# KiCad board panel.kicad_pcb (continued)
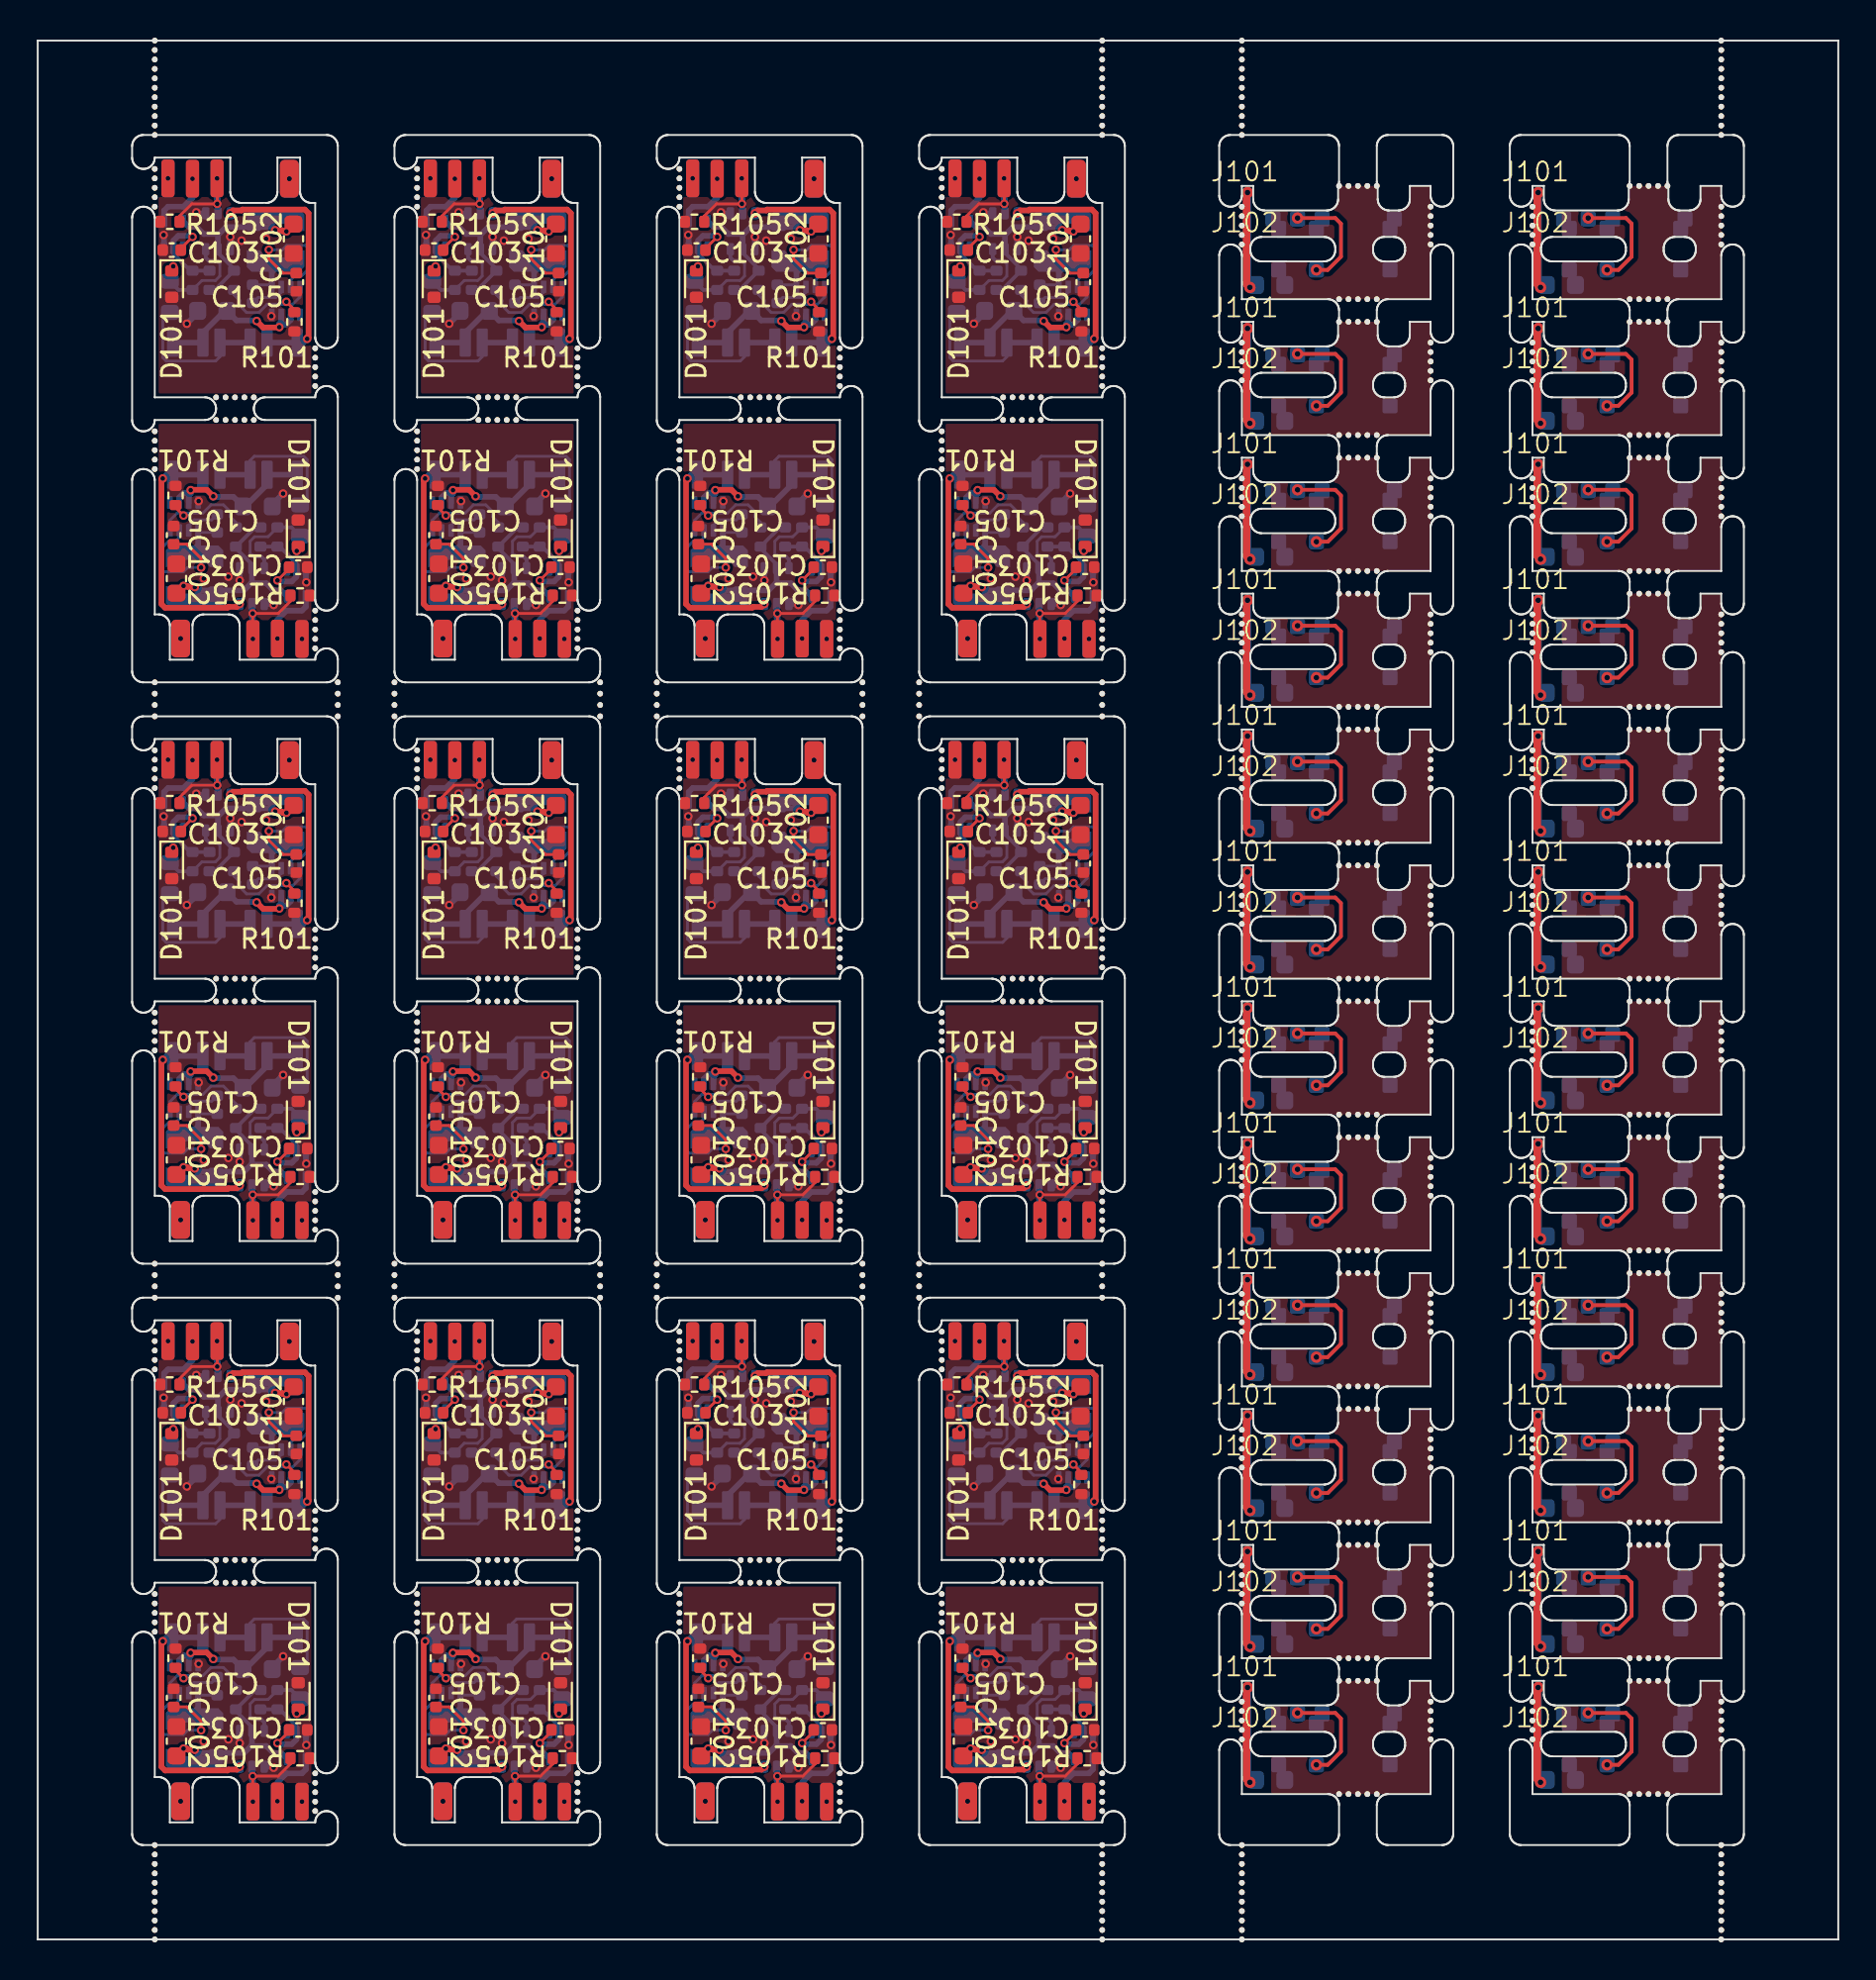
[diagram p0: board, top side]
## Placement (name value [footprint] x y rotation side) (continued)
Q102#5  FDG1024NZ-VB  [SOT-363_SC-70-6]  25.25 71.7 270 bottom
Q102#6  FDG1024NZ-VB  [SOT-363_SC-70-6]  53.05 40.9 270 bottom
Q102#7  FDG1024NZ-VB  [SOT-363_SC-70-6]  9.55 28.9 90 bottom
Q102#8  FDG1024NZ-VB  [SOT-363_SC-70-6]  11.35 10.1 270 bottom
Q102#9  FDG1024NZ-VB  [SOT-363_SC-70-6]  23.45 28.9 90 bottom
Q102#10  FDG1024NZ-VB  [SOT-363_SC-70-6]  37.35 90.5 90 bottom
Q102#11  FDG1024NZ-VB  [SOT-363_SC-70-6]  37.35 59.7 90 bottom
Q102#12  FDG1024NZ-VB  [SOT-363_SC-70-6]  39.15 40.9 270 bottom
Q102#13  FDG1024NZ-VB  [SOT-363_SC-70-6]  25.25 10.1 270 bottom
Q102#14  FDG1024NZ-VB  [SOT-363_SC-70-6]  11.35 71.7 270 bottom
Q102#15  FDG1024NZ-VB  [SOT-363_SC-70-6]  9.55 59.7 90 bottom
Q102#16  FDG1024NZ-VB  [SOT-363_SC-70-6]  11.35 40.9 270 bottom
Q102#17  FDG1024NZ-VB  [SOT-363_SC-70-6]  23.45 59.7 90 bottom
Q102#18  FDG1024NZ-VB  [SOT-363_SC-70-6]  9.55 90.5 90 bottom
Q102#19  FDG1024NZ-VB  [SOT-363_SC-70-6]  39.15 71.7 270 bottom
Q102#20  FDG1024NZ-VB  [SOT-363_SC-70-6]  37.35 28.9 90 bottom
Q102#21  FDG1024NZ-VB  [SOT-363_SC-70-6]  39.15 10.1 270 bottom
Q102#22  FDG1024NZ-VB  [SOT-363_SC-70-6]  23.45 90.5 90 bottom
Q102#23  FDG1024NZ-VB  [SOT-363_SC-70-6]  53.05 71.7 270 bottom
Q102#24  FDG1024NZ-VB  [SOT-363_SC-70-6]  25.25 40.9 270 bottom
R101  R_15K_0402_0W063_1%_100PPM_50V  [R_0402_1005Metric]  49 45.7 90 top
R101#2  R_15K_0402_0W063_1%_100PPM_50V  [R_0402_1005Metric]  41.4 85.7 270 top
R101#3  R_15K_0402_0W063_1%_100PPM_50V  [R_0402_1005Metric]  21.2 76.5 90 top
R101#4  R_15K_0402_0W063_1%_100PPM_50V  [R_0402_1005Metric]  27.5 54.9 270 top
R101#5  R_15K_0402_0W063_1%_100PPM_50V  [R_0402_1005Metric]  27.5 85.7 270 top
R101#6  R_15K_0402_0W063_1%_100PPM_50V  [R_0402_1005Metric]  35.1 76.5 90 top
R101#7  R_15K_0402_0W063_1%_100PPM_50V  [R_0402_1005Metric]  55.3 24.1 270 top
R101#8  R_15K_0402_0W063_1%_100PPM_50V  [R_0402_1005Metric]  41.4 54.9 270 top
R101#9  R_15K_0402_0W063_1%_100PPM_50V  [R_0402_1005Metric]  21.2 45.7 90 top
R101#10  R_15K_0402_0W063_1%_100PPM_50V  [R_0402_1005Metric]  55.3 85.7 270 top
R101#11  R_15K_0402_0W063_1%_100PPM_50V  [R_0402_1005Metric]  13.6 54.9 270 top
R101#12  R_15K_0402_0W063_1%_100PPM_50V  [R_0402_1005Metric]  7.3 14.9 90 top
R101#13  R_15K_0402_0W063_1%_100PPM_50V  [R_0402_1005Metric]  21.2 14.9 90 top
R101#14  R_15K_0402_0W063_1%_100PPM_50V  [R_0402_1005Metric]  35.1 14.9 90 top
R101#15  R_15K_0402_0W063_1%_100PPM_50V  [R_0402_1005Metric]  55.3 54.9 270 top
R101#16  R_15K_0402_0W063_1%_100PPM_50V  [R_0402_1005Metric]  13.6 85.7 270 top
R101#17  R_15K_0402_0W063_1%_100PPM_50V  [R_0402_1005Metric]  35.1 45.7 90 top
R101#18  R_15K_0402_0W063_1%_100PPM_50V  [R_0402_1005Metric]  27.5 24.1 270 top
R101#19  R_15K_0402_0W063_1%_100PPM_50V  [R_0402_1005Metric]  41.4 24.1 270 top
R101#20  R_15K_0402_0W063_1%_100PPM_50V  [R_0402_1005Metric]  13.6 24.1 270 top
R101#21  R_15K_0402_0W063_1%_100PPM_50V  [R_0402_1005Metric]  49 76.5 90 top
R101#22  R_15K_0402_0W063_1%_100PPM_50V  [R_0402_1005Metric]  49 14.9 90 top
R101#23  R_15K_0402_0W063_1%_100PPM_50V  [R_0402_1005Metric]  7.3 45.7 90 top
R101#24  R_15K_0402_0W063_1%_100PPM_50V  [R_0402_1005Metric]  7.3 76.5 90 top
R102  R_10K0_0402_0W063_1%_100PPM_50V  [R_0402_1005Metric]  22.1 26.3 90 bottom
R102#2  R_10K0_0402_0W063_1%_100PPM_50V  [R_0402_1005Metric]  49.9 26.3 90 bottom
R102#3  R_10K0_0402_0W063_1%_100PPM_50V  [R_0402_1005Metric]  22.1 87.9 90 bottom
R102#4  R_10K0_0402_0W063_1%_100PPM_50V  [R_0402_1005Metric]  40.5 74.3 270 bottom
R102#5  R_10K0_0402_0W063_1%_100PPM_50V  [R_0402_1005Metric]  8.2 87.9 90 bottom
R102#6  R_10K0_0402_0W063_1%_100PPM_50V  [R_0402_1005Metric]  40.5 43.5 270 bottom
R102#7  R_10K0_0402_0W063_1%_100PPM_50V  [R_0402_1005Metric]  12.7 12.7 270 bottom
R102#8  R_10K0_0402_0W063_1%_100PPM_50V  [R_0402_1005Metric]  8.2 26.3 90 bottom
R102#9  R_10K0_0402_0W063_1%_100PPM_50V  [R_0402_1005Metric]  12.7 43.5 270 bottom
R102#10  R_10K0_0402_0W063_1%_100PPM_50V  [R_0402_1005Metric]  54.4 12.7 270 bottom
R102#11  R_10K0_0402_0W063_1%_100PPM_50V  [R_0402_1005Metric]  54.4 74.3 270 bottom
R102#12  R_10K0_0402_0W063_1%_100PPM_50V  [R_0402_1005Metric]  36 87.9 90 bottom
R102#13  R_10K0_0402_0W063_1%_100PPM_50V  [R_0402_1005Metric]  26.6 74.3 270 bottom
R102#14  R_10K0_0402_0W063_1%_100PPM_50V  [R_0402_1005Metric]  49.9 57.1 90 bottom
R102#15  R_10K0_0402_0W063_1%_100PPM_50V  [R_0402_1005Metric]  54.4 43.5 270 bottom
R102#16  R_10K0_0402_0W063_1%_100PPM_50V  [R_0402_1005Metric]  49.9 87.9 90 bottom
R102#17  R_10K0_0402_0W063_1%_100PPM_50V  [R_0402_1005Metric]  12.7 74.3 270 bottom
R102#18  R_10K0_0402_0W063_1%_100PPM_50V  [R_0402_1005Metric]  8.2 57.1 90 bottom
R102#19  R_10K0_0402_0W063_1%_100PPM_50V  [R_0402_1005Metric]  22.1 57.1 90 bottom
R102#20  R_10K0_0402_0W063_1%_100PPM_50V  [R_0402_1005Metric]  36 26.3 90 bottom
R102#21  R_10K0_0402_0W063_1%_100PPM_50V  [R_0402_1005Metric]  36 57.1 90 bottom
R102#22  R_10K0_0402_0W063_1%_100PPM_50V  [R_0402_1005Metric]  40.5 12.7 270 bottom
R102#23  R_10K0_0402_0W063_1%_100PPM_50V  [R_0402_1005Metric]  26.6 12.7 270 bottom
R102#24  R_10K0_0402_0W063_1%_100PPM_50V  [R_0402_1005Metric]  26.6 43.5 270 bottom
R103  100R  [R_0603_1608Metric]  41.7 44.38 270 bottom
R103#2  100R  [R_0603_1608Metric]  13.9 44.38 270 bottom
R103#3  100R  [R_0603_1608Metric]  27.8 75.17 270 bottom
R103#4  100R  [R_0603_1608Metric]  13.9 75.17 270 bottom
R103#5  100R  [R_0603_1608Metric]  34.8 56.22 90 bottom
R103#6  100R  [R_0603_1608Metric]  7 87.02 90 bottom
R103#7  100R  [R_0603_1608Metric]  55.6 13.57 270 bottom
R103#8  100R  [R_0603_1608Metric]  34.8 87.02 90 bottom
R103#9  100R  [R_0603_1608Metric]  20.9 25.42 90 bottom
R103#10  100R  [R_0603_1608Metric]  48.7 56.22 90 bottom
R103#11  100R  [R_0603_1608Metric]  7 56.22 90 bottom
R103#12  100R  [R_0603_1608Metric]  13.9 13.57 270 bottom
R103#13  100R  [R_0603_1608Metric]  48.7 87.02 90 bottom
R103#14  100R  [R_0603_1608Metric]  7 25.42 90 bottom
R103#15  100R  [R_0603_1608Metric]  27.8 13.57 270 bottom
R103#16  100R  [R_0603_1608Metric]  41.7 75.17 270 bottom
R103#17  100R  [R_0603_1608Metric]  55.6 44.38 270 bottom
R103#18  100R  [R_0603_1608Metric]  20.9 56.22 90 bottom
R103#19  100R  [R_0603_1608Metric]  20.9 87.02 90 bottom
R103#20  100R  [R_0603_1608Metric]  34.8 25.42 90 bottom
R103#21  100R  [R_0603_1608Metric]  27.8 44.38 270 bottom
R103#22  100R  [R_0603_1608Metric]  48.7 25.42 90 bottom
R103#23  100R  [R_0603_1608Metric]  55.6 75.17 270 bottom
R103#24  100R  [R_0603_1608Metric]  41.7 13.57 270 bottom
R104  R_47K_0402_0W063_1%_100PPM_50V  [R_0402_1005Metric]  24.4 43.5 90 bottom
R104#2  R_47K_0402_0W063_1%_100PPM_50V  [R_0402_1005Metric]  24.3 26.3 270 bottom
R104#3  R_47K_0402_0W063_1%_100PPM_50V  [R_0402_1005Metric]  38.2 57.1 270 bottom
R104#4  R_47K_0402_0W063_1%_100PPM_50V  [R_0402_1005Metric]  38.2 87.9 270 bottom
R104#5  R_47K_0402_0W063_1%_100PPM_50V  [R_0402_1005Metric]  10.5 12.7 90 bottom
R104#6  R_47K_0402_0W063_1%_100PPM_50V  [R_0402_1005Metric]  52.1 87.9 270 bottom
R104#7  R_47K_0402_0W063_1%_100PPM_50V  [R_0402_1005Metric]  52.1 57.1 270 bottom
R104#8  R_47K_0402_0W063_1%_100PPM_50V  [R_0402_1005Metric]  52.1 26.3 270 bottom
R104#9  R_47K_0402_0W063_1%_100PPM_50V  [R_0402_1005Metric]  52.2 74.3 90 bottom
R104#10  R_47K_0402_0W063_1%_100PPM_50V  [R_0402_1005Metric]  10.4 26.3 270 bottom
R104#11  R_47K_0402_0W063_1%_100PPM_50V  [R_0402_1005Metric]  24.4 74.3 90 bottom
R104#12  R_47K_0402_0W063_1%_100PPM_50V  [R_0402_1005Metric]  38.2 26.3 270 bottom
R104#13  R_47K_0402_0W063_1%_100PPM_50V  [R_0402_1005Metric]  38.3 12.7 90 bottom
R104#14  R_47K_0402_0W063_1%_100PPM_50V  [R_0402_1005Metric]  24.4 12.7 90 bottom
R104#15  R_47K_0402_0W063_1%_100PPM_50V  [R_0402_1005Metric]  24.3 57.1 270 bottom
R104#16  R_47K_0402_0W063_1%_100PPM_50V  [R_0402_1005Metric]  52.2 12.7 90 bottom
R104#17  R_47K_0402_0W063_1%_100PPM_50V  [R_0402_1005Metric]  52.2 43.5 90 bottom
R104#18  R_47K_0402_0W063_1%_100PPM_50V  [R_0402_1005Metric]  24.3 87.9 270 bottom
R104#19  R_47K_0402_0W063_1%_100PPM_50V  [R_0402_1005Metric]  10.4 57.1 270 bottom
R104#20  R_47K_0402_0W063_1%_100PPM_50V  [R_0402_1005Metric]  10.5 74.3 90 bottom
R104#21  R_47K_0402_0W063_1%_100PPM_50V  [R_0402_1005Metric]  38.3 43.5 90 bottom
R104#22  R_47K_0402_0W063_1%_100PPM_50V  [R_0402_1005Metric]  10.4 87.9 270 bottom
R104#23  R_47K_0402_0W063_1%_100PPM_50V  [R_0402_1005Metric]  38.3 74.3 90 bottom
R104#24  R_47K_0402_0W063_1%_100PPM_50V  [R_0402_1005Metric]  10.5 43.5 90 bottom
R105  R_47K_0402_0W063_1%_100PPM_50V  [R_0402_1005Metric]  27.8 71.2 0 top
R105#2  R_47K_0402_0W063_1%_100PPM_50V  [R_0402_1005Metric]  27.8 9.6 0 top
R105#3  R_47K_0402_0W063_1%_100PPM_50V  [R_0402_1005Metric]  41.7 9.6 0 top
R105#4  R_47K_0402_0W063_1%_100PPM_50V  [R_0402_1005Metric]  48.7 60.2 180 top
R105#5  R_47K_0402_0W063_1%_100PPM_50V  [R_0402_1005Metric]  55.6 71.2 0 top
R105#6  R_47K_0402_0W063_1%_100PPM_50V  [R_0402_1005Metric]  55.6 9.6 0 top
R105#7  R_47K_0402_0W063_1%_100PPM_50V  [R_0402_1005Metric]  41.7 40.4 0 top
R105#8  R_47K_0402_0W063_1%_100PPM_50V  [R_0402_1005Metric]  7 60.2 180 top
R105#9  R_47K_0402_0W063_1%_100PPM_50V  [R_0402_1005Metric]  7 29.4 180 top
R105#10  R_47K_0402_0W063_1%_100PPM_50V  [R_0402_1005Metric]  13.9 40.4 0 top
R105#11  R_47K_0402_0W063_1%_100PPM_50V  [R_0402_1005Metric]  34.8 60.2 180 top
R105#12  R_47K_0402_0W063_1%_100PPM_50V  [R_0402_1005Metric]  7 91 180 top
R105#13  R_47K_0402_0W063_1%_100PPM_50V  [R_0402_1005Metric]  27.8 40.4 0 top
R105#14  R_47K_0402_0W063_1%_100PPM_50V  [R_0402_1005Metric]  34.8 91 180 top
R105#15  R_47K_0402_0W063_1%_100PPM_50V  [R_0402_1005Metric]  34.8 29.4 180 top
R105#16  R_47K_0402_0W063_1%_100PPM_50V  [R_0402_1005Metric]  41.7 71.2 0 top
R105#17  R_47K_0402_0W063_1%_100PPM_50V  [R_0402_1005Metric]  13.9 71.2 0 top
R105#18  R_47K_0402_0W063_1%_100PPM_50V  [R_0402_1005Metric]  20.9 91 180 top
R105#19  R_47K_0402_0W063_1%_100PPM_50V  [R_0402_1005Metric]  48.7 91 180 top
R105#20  R_47K_0402_0W063_1%_100PPM_50V  [R_0402_1005Metric]  20.9 60.2 180 top
R105#21  R_47K_0402_0W063_1%_100PPM_50V  [R_0402_1005Metric]  48.7 29.4 180 top
R105#22  R_47K_0402_0W063_1%_100PPM_50V  [R_0402_1005Metric]  55.6 40.4 0 top
R105#23  R_47K_0402_0W063_1%_100PPM_50V  [R_0402_1005Metric]  13.9 9.6 0 top
R105#24  R_47K_0402_0W063_1%_100PPM_50V  [R_0402_1005Metric]  20.9 29.4 180 top
R106  R_47K_0402_0W063_1%_100PPM_50V  [R_0402_1005Metric]  11.8 12.7 270 bottom
R106#2  R_47K_0402_0W063_1%_100PPM_50V  [R_0402_1005Metric]  50.8 57.1 90 bottom
R106#3  R_47K_0402_0W063_1%_100PPM_50V  [R_0402_1005Metric]  53.5 74.3 270 bottom
R106#4  R_47K_0402_0W063_1%_100PPM_50V  [R_0402_1005Metric]  9.1 57.1 90 bottom
R106#5  R_47K_0402_0W063_1%_100PPM_50V  [R_0402_1005Metric]  25.7 12.7 270 bottom
R106#6  R_47K_0402_0W063_1%_100PPM_50V  [R_0402_1005Metric]  53.5 43.5 270 bottom
R106#7  R_47K_0402_0W063_1%_100PPM_50V  [R_0402_1005Metric]  23 26.3 90 bottom
R106#8  R_47K_0402_0W063_1%_100PPM_50V  [R_0402_1005Metric]  36.9 26.3 90 bottom
R106#9  R_47K_0402_0W063_1%_100PPM_50V  [R_0402_1005Metric]  25.7 74.3 270 bottom
R106#10  R_47K_0402_0W063_1%_100PPM_50V  [R_0402_1005Metric]  25.7 43.5 270 bottom
R106#11  R_47K_0402_0W063_1%_100PPM_50V  [R_0402_1005Metric]  36.9 87.9 90 bottom
R106#12  R_47K_0402_0W063_1%_100PPM_50V  [R_0402_1005Metric]  23 87.9 90 bottom
R106#13  R_47K_0402_0W063_1%_100PPM_50V  [R_0402_1005Metric]  50.8 87.9 90 bottom
R106#14  R_47K_0402_0W063_1%_100PPM_50V  [R_0402_1005Metric]  50.8 26.3 90 bottom
R106#15  R_47K_0402_0W063_1%_100PPM_50V  [R_0402_1005Metric]  11.8 74.3 270 bottom
R106#16  R_47K_0402_0W063_1%_100PPM_50V  [R_0402_1005Metric]  36.9 57.1 90 bottom
R106#17  R_47K_0402_0W063_1%_100PPM_50V  [R_0402_1005Metric]  39.6 12.7 270 bottom
R106#18  R_47K_0402_0W063_1%_100PPM_50V  [R_0402_1005Metric]  39.6 43.5 270 bottom
R106#19  R_47K_0402_0W063_1%_100PPM_50V  [R_0402_1005Metric]  11.8 43.5 270 bottom
R106#20  R_47K_0402_0W063_1%_100PPM_50V  [R_0402_1005Metric]  9.1 26.3 90 bottom
R106#21  R_47K_0402_0W063_1%_100PPM_50V  [R_0402_1005Metric]  23 57.1 90 bottom
R106#22  R_47K_0402_0W063_1%_100PPM_50V  [R_0402_1005Metric]  39.6 74.3 270 bottom
R106#23  R_47K_0402_0W063_1%_100PPM_50V  [R_0402_1005Metric]  53.5 12.7 270 bottom
R106#24  R_47K_0402_0W063_1%_100PPM_50V  [R_0402_1005Metric]  9.1 87.9 90 bottom
U102  SN74LVC1G14DRL  [SOT-553]  48.89 28.73 90 bottom
U102#2  SN74LVC1G14DRL  [SOT-553]  48.89 90.33 90 bottom
U102#3  SN74LVC1G14DRL  [SOT-553]  21.09 90.33 90 bottom
U102#4  SN74LVC1G14DRL  [SOT-553]  13.71 10.27 270 bottom
U102#5  SN74LVC1G14DRL  [SOT-553]  7.19 90.33 90 bottom
U102#6  SN74LVC1G14DRL  [SOT-553]  41.51 71.87 270 bottom
U102#7  SN74LVC1G14DRL  [SOT-553]  48.89 59.53 90 bottom
U102#8  SN74LVC1G14DRL  [SOT-553]  21.09 59.53 90 bottom
U102#9  SN74LVC1G14DRL  [SOT-553]  27.61 71.87 270 bottom
U102#10  SN74LVC1G14DRL  [SOT-553]  13.71 71.87 270 bottom
U102#11  SN74LVC1G14DRL  [SOT-553]  7.19 28.73 90 bottom
U102#12  SN74LVC1G14DRL  [SOT-553]  41.51 10.27 270 bottom
U102#13  SN74LVC1G14DRL  [SOT-553]  55.41 10.27 270 bottom
U102#14  SN74LVC1G14DRL  [SOT-553]  55.41 41.07 270 bottom
U102#15  SN74LVC1G14DRL  [SOT-553]  34.99 59.53 90 bottom
U102#16  SN74LVC1G14DRL  [SOT-553]  41.51 41.07 270 bottom
U102#17  SN74LVC1G14DRL  [SOT-553]  7.19 59.53 90 bottom
U102#18  SN74LVC1G14DRL  [SOT-553]  34.99 90.33 90 bottom
U102#19  SN74LVC1G14DRL  [SOT-553]  27.61 41.07 270 bottom
U102#20  SN74LVC1G14DRL  [SOT-553]  21.09 28.73 90 bottom
U102#21  SN74LVC1G14DRL  [SOT-553]  27.61 10.27 270 bottom
U102#22  SN74LVC1G14DRL  [SOT-553]  55.41 71.87 270 bottom
U102#23  SN74LVC1G14DRL  [SOT-553]  13.71 41.07 270 bottom
U102#24  SN74LVC1G14DRL  [SOT-553]  34.99 28.73 90 bottom
U103  TPS62933DRLR  [SOT-583-8]  54.85 25.21 90 bottom
U103#2  TPS62933DRLR  [SOT-583-8]  7.75 13.79 270 bottom
U103#3  TPS62933DRLR  [SOT-583-8]  49.45 44.59 270 bottom
U103#4  TPS62933DRLR  [SOT-583-8]  40.95 86.81 90 bottom
U103#5  TPS62933DRLR  [SOT-583-8]  35.55 13.79 270 bottom
U103#6  TPS62933DRLR  [SOT-583-8]  35.55 75.39 270 bottom
U103#7  TPS62933DRLR  [SOT-583-8]  13.15 56.01 90 bottom
U103#8  TPS62933DRLR  [SOT-583-8]  27.05 56.01 90 bottom
U103#9  TPS62933DRLR  [SOT-583-8]  49.45 13.79 270 bottom
U103#10  TPS62933DRLR  [SOT-583-8]  13.15 25.21 90 bottom
U103#11  TPS62933DRLR  [SOT-583-8]  7.75 44.59 270 bottom
U103#12  TPS62933DRLR  [SOT-583-8]  27.05 25.21 90 bottom
U103#13  TPS62933DRLR  [SOT-583-8]  40.95 56.01 90 bottom
U103#14  TPS62933DRLR  [SOT-583-8]  21.65 75.39 270 bottom
U103#15  TPS62933DRLR  [SOT-583-8]  49.45 75.39 270 bottom
U103#16  TPS62933DRLR  [SOT-583-8]  54.85 86.81 90 bottom
U103#17  TPS62933DRLR  [SOT-583-8]  21.65 13.79 270 bottom
U103#18  TPS62933DRLR  [SOT-583-8]  7.75 75.39 270 bottom
U103#19  TPS62933DRLR  [SOT-583-8]  13.15 86.81 90 bottom
U103#20  TPS62933DRLR  [SOT-583-8]  35.55 44.59 270 bottom
U103#21  TPS62933DRLR  [SOT-583-8]  21.65 44.59 270 bottom
U103#22  TPS62933DRLR  [SOT-583-8]  40.95 25.21 90 bottom
U103#23  TPS62933DRLR  [SOT-583-8]  54.85 56.01 90 bottom
U103#24  TPS62933DRLR  [SOT-583-8]  27.05 86.81 90 bottom

## Library data of the parts
AE101 AE101#2-AE101#24 = -: Description: Antenna with extra pin for shielding
C101 C101#2-C101#24 = -: Description: Unpolarized capacitor; OC_JLCPCB: C15849
C102 C102#2-C102#24 = -: Description: Unpolarized capacitor; OC_JLCPCB: C19702
C103 C103#2-C103#24 = -: Description: Capacitor xxxE 0000 XXXX 00% 000V; Capacitance: 15p; Case: 0402; Dielectric: NP0; Tolerance: 5%; Voltage: 50V; ID: 50000069; TARGET_LIB: 900_capacitors; SRC_LIB: /home/markus/projekte/900_library/kicad/generator_v2/capacitors_template.kicad_sym; SRC_PART: C_xxxE_0000_XXXX_00%_000V; kicadlibid: 69; MC_Generic: GRT1555C1H150FA2D; OC_MOUSER: 81-GRT1555C1H150FA2D; OC_JLCPCB: C1548
C104 C104#2-C104#24 C105 C105#2-C105#24 = -: Description: Capacitor xxxE 0000 XXXX 00% 000V; Capacitance: 100n; Case: 0402; Dielectric: X7R; Tolerance: 10%; Voltage: 50V; ID: 50000068; TARGET_LIB: 900_capacitors; SRC_LIB: /home/markus/projekte/900_library/kicad/generator_v2/capacitors_template.kicad_sym; SRC_PART: C_xxxE_0000_XXXX_00%_000V; kicadlibid: 68; MC_Generic: GRM155R71H104KE4J; OC_MOUSER: 81-GRM155R71H104KE4J; OC_JLCPCB: C307331
D101 D101#2-D101#24 = -: Datasheet: https://www.onsemi.com/pdf/datasheet/esd5z2.5t1-d.pdf; Description: ESD Protection Diode, SOD-523; OC_JLCPCB: C3008120
H101 H101#2-H101#24 H102 H102#2-H102#24 H103 H103#2-H103#24 = -: Description: Mounting Hole with connection; OC_JLCPCB: C5334114
H104 H104#2-H104#24 H105 H105#2-H105#24 H106 H106#2-H106#24 H107 H107#2-H107#24 H108 H108#2-H108#24 H109 H109#2-H109#24 H110 H110#2-H110#24 H111 H111#2-H111#24 = -: Description: Mounting Hole with connection
J101 J101#2-J101#24 = -: Description: Generic connector, single row, 01x04, script generated (kicad-library-utils/schlib/autogen/connector/)
J102 J102#2-J102#24 = -: Description: Generic connector, double row, 02x03, odd/even pin numbering scheme (row 1 odd numbers, row 2 even numbers), script generated (kicad-library-utils/schlib/autogen/connector/)
L101 L101#2-L101#24 = -: Description: Inductor; OC_JLCPCB: C5832372
Q102 Q102#2-Q102#24 = -: Datasheet: https://jlcpcb.com/api/file/downloadByFileSystemAccessId/8609108054277169152; Description: 1.2A Id, 20V Vds, Dual N-Channel MOSFET, 175mOhm Ron, SC-70-6; OC_JLCPCB: C693215
R101 R101#2-R101#24 = -: Description: Resistor 000R 0000 0W00 0% 000pm 000V; Resistance: 15K; Case: 0402; Power: 0W063; Tolerance: 1%; TempKoeff: 100PPM; Voltage: 50V; ID: 50000013; TARGET_LIB: 900_resistors; SRC_LIB: /home/markus/projekte/900_library/kicad/generator_v2/resistors_template.kicad_sym; SRC_PART: R_000R_0000_0W00_0%_000pm_000V; kicadlibid: 13; MC_Generic: RC0402FR-0715KL; OC_MOUSER: 603-RC0402FR-0715KL; OC_JLCPCB: C25756
R102 R102#2-R102#24 = -: Description: Resistor 000R 0000 0W00 0% 000pm 000V; Resistance: 10K0; Case: 0402; Power: 0W063; Tolerance: 1%; TempKoeff: 100PPM; Voltage: 50V; ID: 50000005; TARGET_LIB: 900_resistors; SRC_LIB: /home/markus/projekte/900_library/kicad/generator_v2/resistors_template.kicad_sym; SRC_PART: R_000R_0000_0W00_0%_000pm_000V; kicadlibid: 5; MC_Generic: RC0402FR-0710KL; OC_MOUSER: 603-RC0402FR-0710KL; OC_JLCPCB: C25744
R103 R103#2-R103#24 = -: Description: Resistor; OC_JLCPCB: C22775
R104 R104#2-R104#24 R105 R105#2-R105#24 R106 R106#2-R106#24 = -: Description: Resistor 000R 0000 0W00 0% 000pm 000V; Resistance: 47K; Case: 0402; Power: 0W063; Tolerance: 1%; TempKoeff: 100PPM; Voltage: 50V; ID: 50000047; TARGET_LIB: 900_resistors; SRC_LIB: /home/markus/projekte/900_library/kicad/generator_v2/resistors_template.kicad_sym; SRC_PART: R_000R_0000_0W00_0%_000pm_000V; kicadlibid: 47; MC_Generic: RC0402FR-0747KL; OC_MOUSER: 603-RC0402FR-0747KL; OC_JLCPCB: C25792
U102 U102#2-U102#24 = -: Datasheet: https://www.ti.com/lit/ds/symlink/sn74lvc1g14.pdf; Description: Single Schmitt NOT Gate, Low-Voltage CMOS, SOT-553; OC_JLCPCB: C19829622
U103 U103#2-U103#24 = -: Datasheet: https://www.ti.com/lit/ds/symlink/tps62933.pdf; Description: 3.8-30V, 3A Synchronous Buck Converters with forced continuous conduction mode (FCCM), SOT583-8; OC_JLCPCB: C3200405

## Footprints (pads in the part's own frame, mm; a bottom-side part is the same pattern mirrored in y, then rotated)
C_0402_1005Metric
  rrect 0.56x0.62 smd: 1(-0.48,0) 2(0.48,0)
C_0603_1608Metric
  rrect 0.9x0.95 smd: 1(-0.775,0) 2(0.775,0)
D_SOD-523
  rrect 0.6x0.7 smd: 1(-0.7,0) 2(0.7,0)
ESP8685-WROOM-07
  rrect 0.8x0.8 smd far side: 1(1.5,-1.1) 2(1.5,1.1) 3(3.5,-1.1) 4(3.5,1.1) 5(7.4,-1.1) 6(7.4,1.1)
L_Coilcraft_LPS3010
  custom 1.14x3.05 smd: 1(-1.27,0) 2(1.27,0)
minipcb_alt_boardedge
  rrect 0.8x0.8 smd far side: 1(0.7,-1.1) 2(2,-1.1) 3(3.3,-1.1) 4(7.13,-1.1)
NPTH
  round 0.3 hole 0.3 unplated: (0,0)
R_0402_1005Metric
  rrect 0.54x0.64 smd: 1(-0.51,0) 2(0.51,0)
R_0603_1608Metric
  rrect 0.8x0.95 smd: 1(-0.825,0) 2(0.825,0)
SolderWirePad_1x01_SMD_1.5x3mm
  rrect 0.7x2 smd: 1(0,0)
SolderWirePad_1x01_SMD_1.5x3mm#2
  rrect 1x2 smd: 1(0,0)
SOT-363_SC-70-6
  rrect 0.65x0.4 smd: 1(-0.95,0.65) 2(-0.95,0) 3(-0.95,-0.65) 4(0.95,-0.65) 5(0.95,0) 6(0.95,0.65)
SOT-553
  rrect 0.675x0.35 smd: 1(-0.713,0.5) 2(-0.713,0) 3(-0.713,-0.5) 4(0.713,-0.5) 5(0.713,0.5)
SOT-583-8
  rrect 0.67x0.3 smd: 1(-0.74,0.75) 2(-0.74,0.25) 3(-0.74,-0.25) 4(-0.74,-0.75) 5(0.74,-0.75) 6(0.74,-0.25) 7(0.74,0.25) 8(0.74,0.75)
TE_2040852-1
  rrect 1.5x0.6 smd: 1(0.95,-0.8) 1(0.95,0.8)

## Nets
Board_0-Board_1-Board_0-/+3V3: J101#14.4 J102.6
Board_0-Board_1-Board_0-/GND: J101#14.1 J102.2
Board_0-Board_1-Board_1-/+3V3: J101#5.4 J102#24.6
Board_0-Board_1-Board_1-/GND: J101#5.1 J102#24.2
Board_0-Board_1-Board_2-/+3V3: J101#19.4 J102#18.6
Board_0-Board_1-Board_2-/GND: J101#19.1 J102#18.2
Board_0-Board_1-Board_3-/+3V3: J101#3.4 J102#13.6
Board_0-Board_1-Board_3-/GND: J101#3.1 J102#13.2
Board_0-Board_1-Board_4-/+3V3: J101#21.4 J102#8.6
Board_0-Board_1-Board_4-/GND: J101#21.1 J102#8.2
Board_0-Board_1-Board_5-/+3V3: J101.4 J102#7.6
Board_0-Board_1-Board_5-/GND: J101.1 J102#7.2
Board_0-Board_1-Board_6-/+3V3: J101#13.4 J102#4.6
Board_0-Board_1-Board_6-/GND: J101#13.1 J102#4.2
Board_0-Board_1-Board_7-/+3V3: J101#15.4 J102#2.6
Board_0-Board_1-Board_7-/GND: J101#15.1 J102#2.2
Board_0-Board_1-Board_8-/+3V3: J101#7.4 J102#9.6
Board_0-Board_1-Board_8-/GND: J101#7.1 J102#9.2
Board_0-Board_1-Board_9-/+3V3: J101#10.4 J102#17.6
Board_0-Board_1-Board_9-/GND: J101#10.1 J102#17.2
Board_0-Board_1-Board_10-/+3V3: J101#22.4 J102#11.6
Board_0-Board_1-Board_10-/GND: J101#22.1 J102#11.2
Board_0-Board_1-Board_11-/+3V3: J101#4.4 J102#16.6
Board_0-Board_1-Board_11-/GND: J101#4.1 J102#16.2
Board_0-Board_1-Board_12-/+3V3: J101#12.4 J102#15.6
Board_0-Board_1-Board_12-/GND: J101#12.1 J102#15.2
Board_0-Board_1-Board_13-/+3V3: J101#18.4 J102#20.6
Board_0-Board_1-Board_13-/GND: J101#18.1 J102#20.2
Board_0-Board_1-Board_14-/+3V3: J101#24.4 J102#23.6
Board_0-Board_1-Board_14-/GND: J101#24.1 J102#23.2
Board_0-Board_1-Board_15-/+3V3: J101#17.4 J102#21.6
Board_0-Board_1-Board_15-/GND: J101#17.1 J102#21.2
Board_0-Board_1-Board_16-/+3V3: J101#23.4 J102#22.6
Board_0-Board_1-Board_16-/GND: J101#23.1 J102#22.2
Board_0-Board_1-Board_17-/+3V3: J101#2.4 J102#12.6
Board_0-Board_1-Board_17-/GND: J101#2.1 J102#12.2
Board_0-Board_1-Board_18-/+3V3: J101#9.4 J102#5.6
Board_0-Board_1-Board_18-/GND: J101#9.1 J102#5.2
Board_0-Board_1-Board_19-/+3V3: J101#6.4 J102#19.6
Board_0-Board_1-Board_19-/GND: J101#6.1 J102#19.2
Board_0-Board_1-Board_20-/+3V3: J101#16.4 J102#14.6
Board_0-Board_1-Board_20-/GND: J101#16.1 J102#14.2
Board_0-Board_1-Board_21-/+3V3: J101#20.4 J102#6.6
Board_0-Board_1-Board_21-/GND: J101#20.1 J102#6.2
Board_0-Board_1-Board_22-/+3V3: J101#11.4 J102#3.6
Board_0-Board_1-Board_22-/GND: J101#11.1 J102#3.2
Board_0-Board_1-Board_23-/+3V3: J101#8.4 J102#10.6
Board_0-Board_1-Board_23-/GND: J101#8.1 J102#10.2
Board_0-Board_0-Board_0-+3V3: C102#20.1 H106#16.1 H108#18.1 L101#16.2 Q102#18.2 R104#22.1 R106#24.1 U102#5.5
Board_0-Board_0-Board_0-/BST: C104#3.1 U103#19.6
Board_0-Board_0-Board_0-/DBUS: H102#13.1 R103#6.1
Board_0-Board_0-Board_0-/DBUS_R: D101#11.1 Q102#18.3 R102#5.1 R103#6.2
Board_0-Board_0-Board_0-/FB: R101#16.1 R104#22.2 U103#19.8
Board_0-Board_0-Board_0-/IN: C103#14.1 R102#5.2 R106#24.2 U102#5.2
Board_0-Board_0-Board_0-/IO4: H104#18.1 H110#13.1 Q102#18.5 R105#12.1
Board_0-Board_0-Board_0-/IO5: H105#24.1 H109#8.1 U102#5.4
Board_0-Board_0-Board_0-/SW: C104#3.2 L101#16.1 U103#19.5
Board_0-Board_0-Board_0-/V+: C101#5.1 H101#21.1 U103#19.2 U103#19.3
Board_0-Board_0-Board_0-/V-: H103#6.1 Q102#18.6
Board_0-Board_0-Board_0-GND: C101#5.2 C102#20.2 C103#14.2 C105#11.2 D101#11.2 H107#5.1 H111#4.1 Q102#18.1 Q102#18.4 R101#16.2 R105#12.2 U102#5.3 U103#19.4
Board_0-Board_0-Board_0-Net-(U103-SS): C105#11.1 U103#19.7
Board_0-Board_0-Board_0-unconnected-(U102-NC-Pad1): U102#5.1
Board_0-Board_0-Board_0-unconnected-(U103-RT-Pad1): U103#19.1
Board_0-Board_0-Board_1-+3V3: C102#24.1 H106#3.1 H108.1 L101#23.2 Q102#22.2 R104#18.1 R106#12.1 U102#3.5
Board_0-Board_0-Board_1-/BST: C104#17.1 U103#24.6
Board_0-Board_0-Board_1-/DBUS: H102#23.1 R103#19.1
Board_0-Board_0-Board_1-/DBUS_R: D101#6.1 Q102#22.3 R102#3.1 R103#19.2
Board_0-Board_0-Board_1-/FB: R101#5.1 R104#18.2 U103#24.8
Board_0-Board_0-Board_1-/IN: C103#8.1 R102#3.2 R106#12.2 U102#3.2
Board_0-Board_0-Board_1-/IO4: H104#3.1 H110#19.1 Q102#22.5 R105#18.1
Board_0-Board_0-Board_1-/IO5: H105#10.1 H109#21.1 U102#3.4
Board_0-Board_0-Board_1-/SW: C104#17.2 L101#23.1 U103#24.5
Board_0-Board_0-Board_1-/V+: C101#14.1 H101#11.1 U103#24.2 U103#24.3
Board_0-Board_0-Board_1-/V-: H103#20.1 Q102#22.6
Board_0-Board_0-Board_1-GND: C101#14.2 C102#24.2 C103#8.2 C105#8.2 D101#6.2 H107#23.1 H111#8.1 Q102#22.1 Q102#22.4 R101#5.2 R105#18.2 U102#3.3 U103#24.4
Board_0-Board_0-Board_1-Net-(U103-SS): C105#8.1 U103#24.7
Board_0-Board_0-Board_1-unconnected-(U102-NC-Pad1): U102#3.1
Board_0-Board_0-Board_1-unconnected-(U103-RT-Pad1): U103#24.1
Board_0-Board_0-Board_2-+3V3: C102#11.1 H106#24.1 H108#2.1 L101#6.2 Q102#10.2 R104#4.1 R106#11.1 U102#18.5
Board_0-Board_0-Board_2-/BST: C104#22.1 U103#4.6
